# Altium PCB esp_ethernet_can_ir_relay.PcbDoc (part 2 of 2)
Units mm, origin at the board's own origin, x right, y up, seen from the top; angles counter-clockwise.
Board outline 110 x 113 mm, 2 copper layers (Top Layer, Bottom Layer); 155 components, 105 nets, 479 pads, 57 vias.
Unrouted connection lines stored in the file: 2.
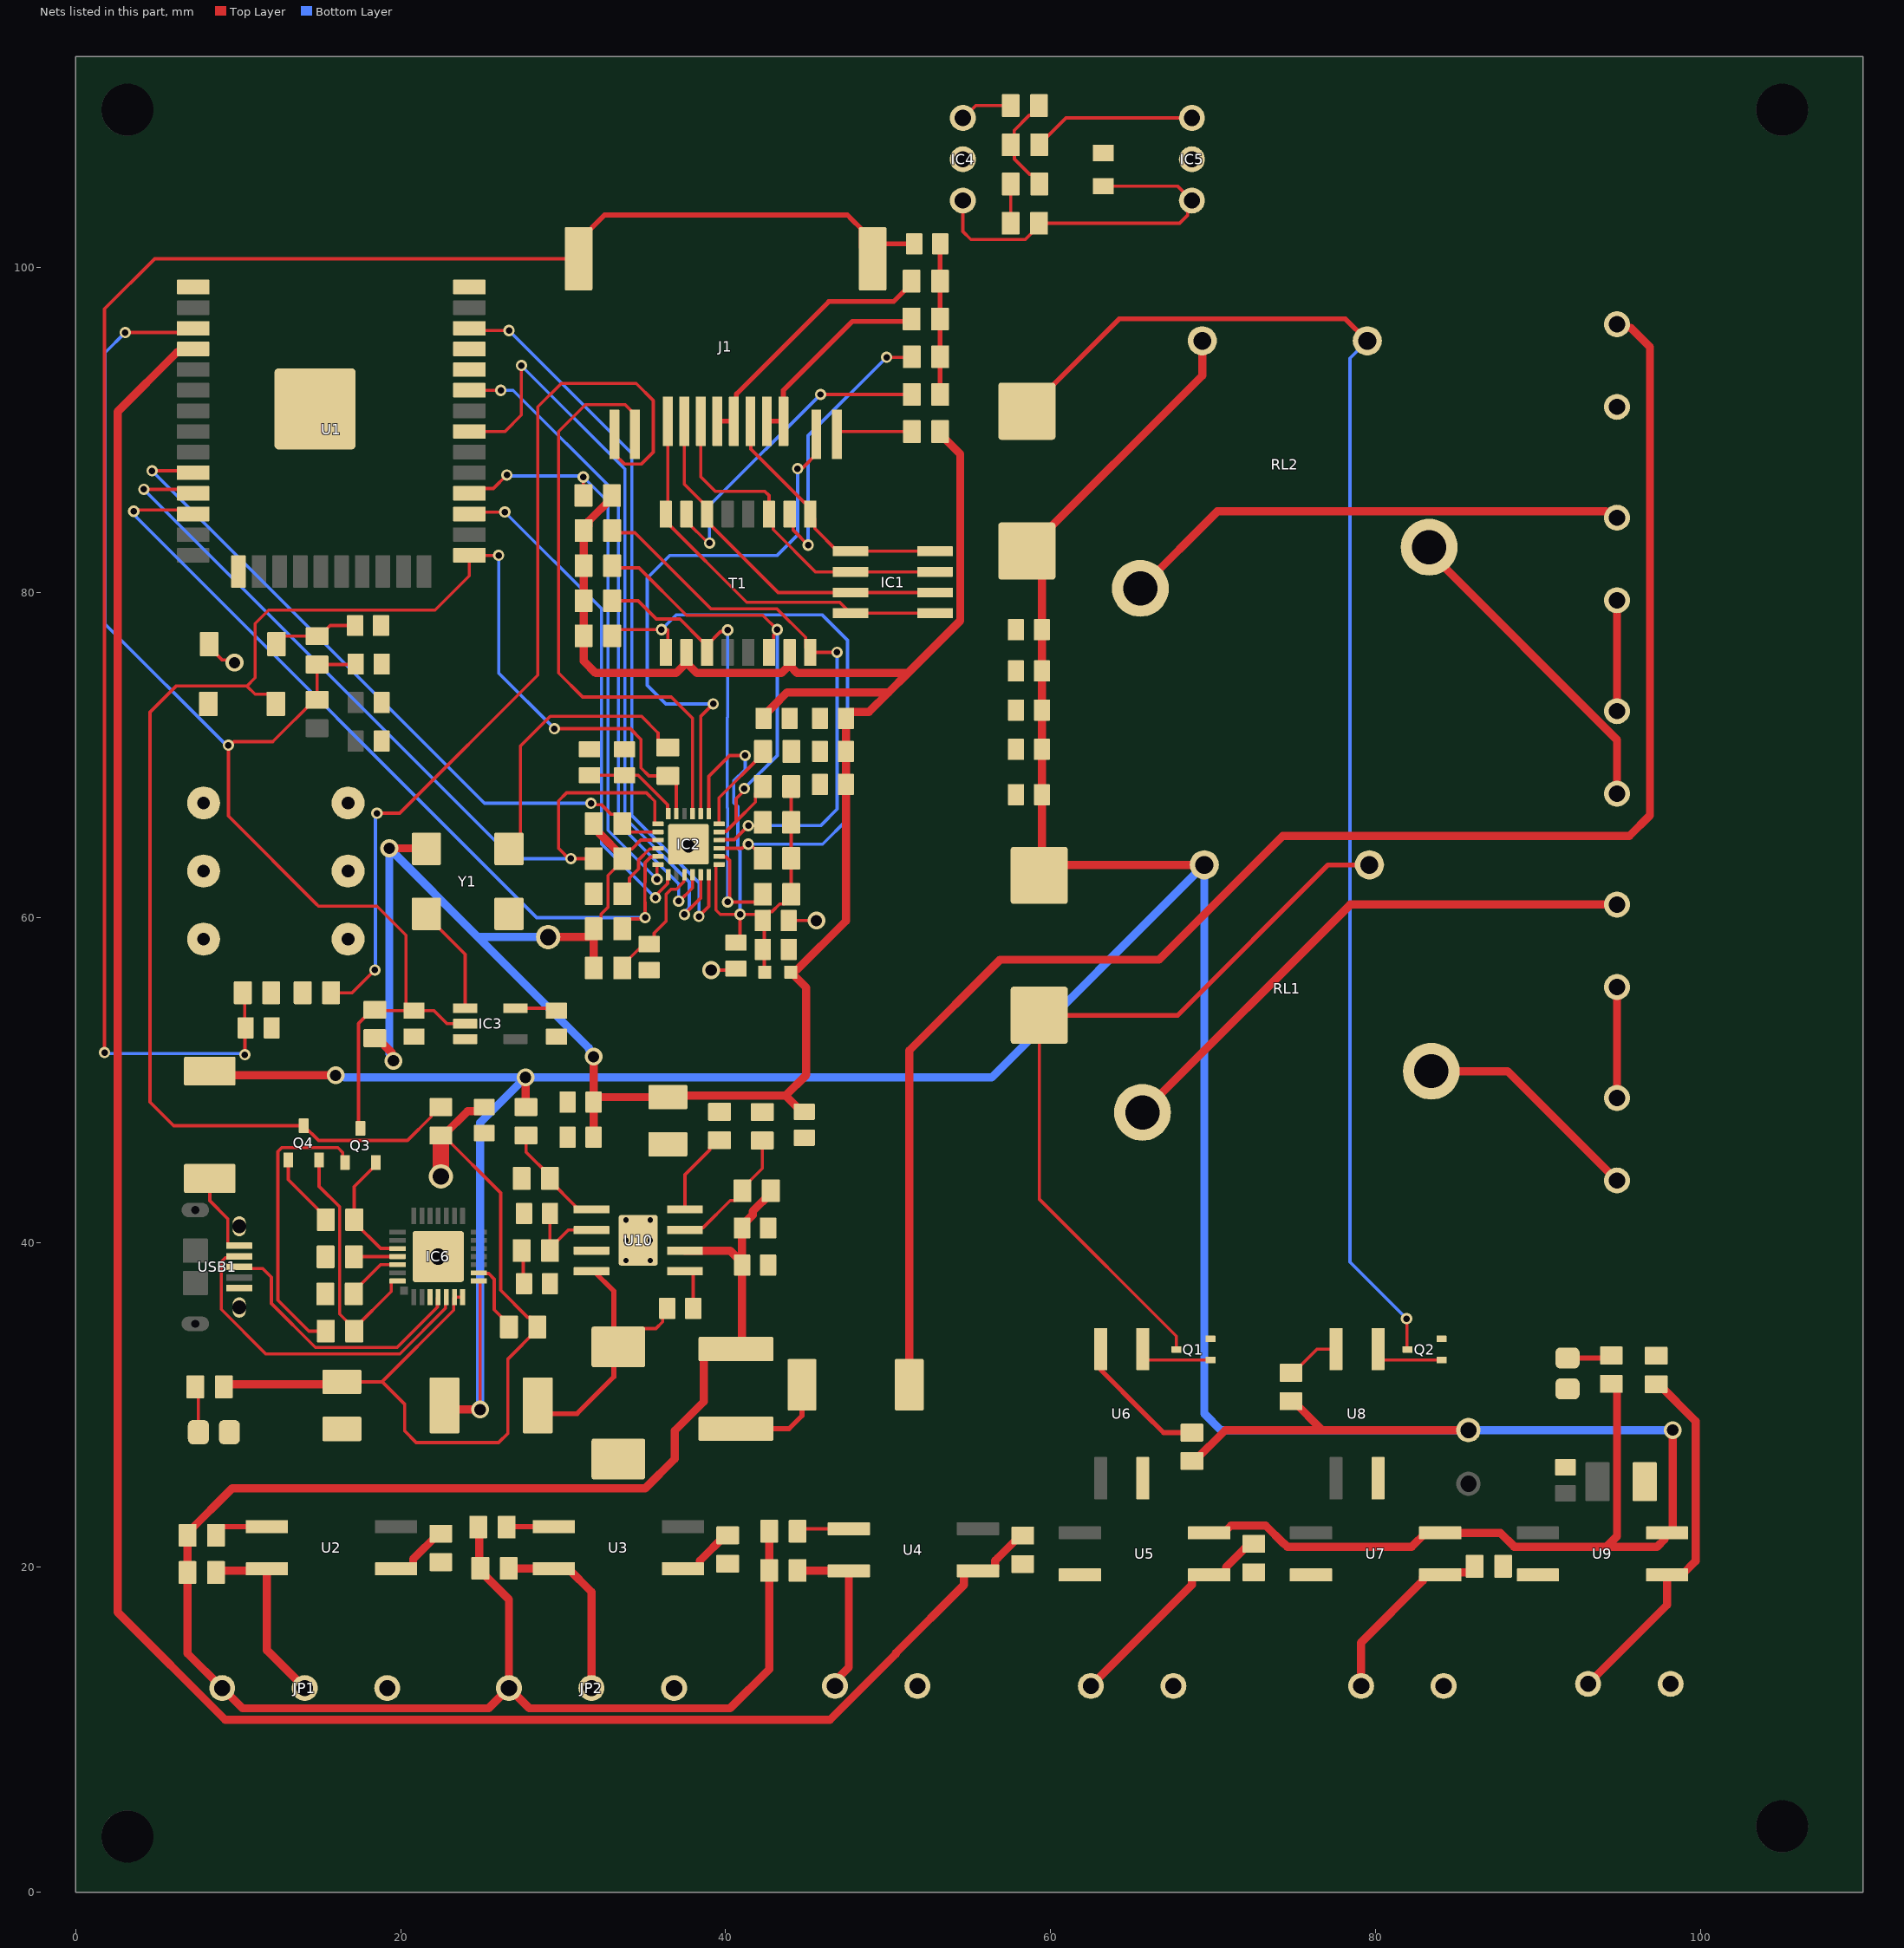
[diagram p2: the nets of this part, all layers, seen from the top]

## Via types
v1: diameter 0.7, hole 0.4, Top Layer to Bottom Layer, 42 vias
v2: diameter 1.1, hole 0.7, Top Layer to Bottom Layer, 12 vias
v3: diameter 3.25, hole 3.25, Top Layer to Bottom Layer, 3 vias

## Nets (pads, with @x,y where several pads share a name; then routed paths per layer and width w, separated by ;. In a path a pad name is that pad's centre, name@x,y a point inside that pad or via, vN(x,y) a via of type N, cw(c..) or ccw(c..) an arc to the next point about the centre after c; other vN are vias at no path point) (continued)
3.3V_ETHER: C5.1 C6.1 C9.2 C10.2 C11.2 C19.2 C30.1 C32.2 IC2.9 J4.1 L2.1 R3.1 R4.1 R5.1 R6.1 R9.1 R14.1 R15.1 R16.1 R17.1 R18.1 R19.1 T1.2 T1.7 Y1.4 | length 162.6
  Top Layer w0.2: R17.1@31.891,59.309 32.341,59.759 32.341,60.217 32.766,60.642 32.766,62.602 33.641,63.477 R15.1@33.641,63.627 ; R15.1@33.641,63.777 34.091,64.227 34.241,64.227 34.78,64.766 IC2.9@35.836,64.766
  Top Layer w0.5: R19.1@18.415,52.578 18.565,52.578 19.443,51.7 19.443,51.296 v2(19.558,51.181) ; v2(19.304,64.262) 21.558,64.262 Y1.4@21.59,64.23 ; J4.1@29.083,58.801 31.533,58.801 R17.1@31.891,59.159 ; C19.2@31.877,46.482 C11.2@31.877,48.641 v2(31.877,51.435) ; R18.1@31.891,56.896 R17.1@31.891,59.159 ; R17.1@31.891,59.309 R17.1@31.891,59.159 ; R14.1@31.891,65.786 32.191,65.486 32.191,65.227 33.641,63.777 R15.1@33.641,63.627 ; C11.2@32.127,48.948 C30.1@36.449,48.948 36.545,49.044 43.696,49.044 ; R16.1@33.006,85.979 33.006,85.829 31.57,84.393 31.57,84.12 R6.1@31.27,83.82 R5.1@31.27,81.661 R4.1@31.27,79.502 R3.1@31.27,77.343 31.27,75.791 32.01,75.051 36.951,75.051 37.592,75.692 38.233,75.051 43.441,75.051 T1.7@43.942,75.552 ; C6.1@42.342,72.263 42.342,72.413 42.946,73.017 42.946,73.024 43.779,73.857 50.028,73.857 ; T1.7@43.942,76.326 T1.7@43.942,75.552 ; C32.2@44.846,48.044 44.696,48.044 43.696,49.044 ; R9.1@53.213,89.916 53.213,89.766 54.442,88.537 54.442,78.271 51.222,75.051 ; 43.696,49.044 44.968,50.316 44.968,55.692 L2.1@44.018,56.642 44.168,56.792 44.401,56.792 47.409,59.8 C9.2@47.409,70.231 C10.2@47.409,72.263 47.409,72.413 47.659,72.663 48.834,72.663 50.028,73.857 ; T1.7@43.942,75.552 43.942,75.523 44.414,75.051 51.222,75.051 ; 50.028,73.857 51.222,75.051
  Bottom Layer w0.5: v2(19.558,51.181) 19.558,51.343 19.304,51.597 v2(19.304,64.262) 24.765,58.801 ; J4.1@29.083,58.801 24.765,58.801 ; v2(31.877,51.435) 31.877,51.597 31.585,51.89 31.585,51.981 24.765,58.801
3V3: R33.2 R36.2 | length 2.4
  Top Layer w0.2: R33.2@57.545,102.743 57.552,102.75 57.552,105.149 R36.2@57.559,105.156
5V: C23.2 C26.2 C33.2 C34.2 C37.2 D1.2 D2.2 D6.2 IC6.8 J2.1 L5.2 R40.2 R42.2 R45.2 R51.1 RL1.1 RL2.1 U5.4 U7.4 U9.4 | length 280.1
  Top Layer w0.2: IC6.8@24.812,37.632 24.842,37.632 24.892,37.582 v2(24.892,29.718)
  Top Layer w0.5: D6.2@8.255,50.546 8.509,50.292 v2(16.002,50.292) ; L5.2@22.698,29.972 22.952,29.718 v2(24.892,29.718) ; v2(27.686,50.165) 27.701,50.15 27.701,48.351 R45.2@27.716,48.336 ; D1.2@59.309,62.598 D1.2@59.474,62.763 ; R40.2@68.707,26.543 68.857,26.543 70.762,28.448 76.731,28.448 ; RL2.1@69.342,95.504 69.342,93.358 D2.2@58.547,82.563 59.474,81.636 C37.2@59.474,77.724 C34.2@59.474,75.184 C33.2@59.474,72.771 C26.2@59.474,70.358 C23.2@59.474,67.564 D1.2@59.474,62.763 ; RL1.1@69.469,63.246 59.957,63.246 D1.2@59.474,62.763 ; U5.4@69.761,22.123 70.661,22.123 70.811,22.273 70.811,22.283 71.104,22.576 73.244,22.576 74.357,21.463 74.382,21.463 74.572,21.273 82.235,21.273 83.085,22.123 U7.4@83.985,22.123 87.692,22.123 88.542,21.273 94.234,21.273 ; R42.2@74.653,30.226 R42.2@74.803,30.226 74.953,30.226 76.731,28.448 ; J2.1@85.725,28.448 76.731,28.448 ; R51.1@94.948,31.014 94.669,31.293 R51.1@94.519,31.293 94.873,30.939 94.873,21.912 94.234,21.273 ; v2(98.298,28.448) 98.298,22.227 98.402,22.123 U9.4@97.955,22.123 97.94,22.123 97.79,21.973 97.79,21.717 97.346,21.273 94.234,21.273
  Bottom Layer w0.5: v2(16.002,50.292) 16.117,50.177 16.541,50.177 16.553,50.165 v2(27.686,50.165) ; v2(24.892,29.718) 24.892,47.371 v2(27.686,50.165) ; v2(98.298,28.448) J2.1@85.725,28.448 70.485,28.448 69.469,29.464 RL1.1@69.469,63.246 56.388,50.165 v2(27.686,50.165)
12V: C24.2 C25.2 F1.2 JP1.3 JP2.3 R27.2 R28.2 R29.2 R30.2 R34.2 R35.2 R46.2 U10.2 | length 121.3
  Top Layer w0.5: R30.2@24.779,22.479 24.843,22.415 24.843,20.002 R29.2@24.906,19.939 24.906,19.789 26.67,18.025 JP2.3@26.67,12.573 ; U10.2@37.5,39.497 40.281,39.497 C24.2@41.02,38.758 ; R35.2@42.686,22.225 R34.2@42.686,19.812 42.686,13.73 40.279,11.323 27.92,11.323 JP2.3@26.67,12.573 ; R46.2@42.785,43.18 42.785,43.03 41.67,41.915 41.67,41.694 41.02,41.044 C25.2@41.02,40.894 C24.2@41.02,38.758 ; JP2.3@26.67,12.573 25.42,11.323 10.267,11.323 JP1.3@9.017,12.573 6.886,14.704 R27.2@6.886,19.685 R28.2@6.886,21.971 6.886,22.121 9.64,24.875 35.069,24.875 36.877,26.683 36.877,28.418 38.665,30.205 38.665,32.938 39.165,33.438 F1.2@40.64,33.438 41.02,33.818 C24.2@41.02,38.608 C24.2@41.02,38.758
BUTTON: JP3.2 R34.1 U4.2 | length 10.6
  Top Layer w0.5: R34.1@44.436,19.812 44.448,19.799 47.575,19.799 U4.2@47.587,19.787 47.587,13.849 46.736,12.998 JP3.2@46.736,12.7
DGND: C1.1 C2.1 C3.1 C4.2 L1.1 SW1.1 U1.1 U1.15 U1.38 U1.39 | length 2.1
  Top Layer w0.2: SW1.1@8.212,76.835 8.212,76.656 9.004,75.864 9.607,75.864 v2(9.779,75.692)
EGND: C8.2 L3.1 R7.1 R13.1
EMAC_CRS_DV: IC2.11 R17.2 U1.12 | length 51.9
  Top Layer w0.2: v1(3.574,85.011) 3.653,85.09 6.985,85.09 U1.12@7.232,84.843 ; R17.2@33.641,59.309 33.641,59.459 34.091,59.909 34.96,59.909 v1(35.052,60.001) 35.052,60.93 35.037,60.945 35.037,62.156 35.052,62.171 35.052,63.383 35.395,63.726 35.796,63.726 IC2.11@35.836,63.766
  Bottom Layer w0.2: v1(3.574,85.011) 3.574,84.876 3.729,84.721 3.729,84.647 28.375,60.001 v1(35.052,60.001)
EMAC_MDC: IC2.13 U1.27 | length 31.6
  Top Layer w0.2: U1.27@24.232,84.843 24.352,84.963 v1(26.416,84.963) ; v1(35.687,61.214) 35.687,61.346 36.429,62.088 36.429,62.593 IC2.13@36.469,62.633
  Bottom Layer w0.2: v1(26.416,84.963) 32.366,79.013 32.366,64.535 v1(35.687,61.214)
EMAC_MDIO: IC2.12 R16.2 U1.28 | length 36.2
  Top Layer w0.2: U1.28@24.232,86.113 24.537,86.418 25.712,86.418 v1(26.543,87.249) ; v1(31.242,87.122) 31.242,85.993 R16.2@31.256,85.979 ; v1(35.779,62.357) 35.779,63.226 35.819,63.266 IC2.12@35.836,63.266
  Bottom Layer w0.2: v1(26.543,87.249) 26.607,87.185 v1@31.178,87.185 ; v1(31.242,87.122) 32.766,85.598 32.766,65.37 v1(35.779,62.357)
EMAC_RXD0: IC2.8 R14.2 U1.10 | length 43
  Top Layer w0.2: v1(4.699,87.503) 7.112,87.503 U1.10@7.232,87.383 ; v1(31.716,67.036) 31.812,66.94 32.379,66.94 32.966,66.353 33.191,66.353 33.641,65.903 33.641,65.716 34.091,65.266 IC2.8@35.836,65.266
  Bottom Layer w0.2: v1(4.699,87.503) 25.166,67.036 v1(31.716,67.036)
EMAC_RXD1: IC2.7 R15.2 U1.11 | length 52.9
  Top Layer w0.2: v1(4.191,86.36) 6.985,86.36 U1.11@7.232,86.113 ; v1@30.402,63.578 29.718,64.262 29.718,67.183 30.221,67.686 35.126,67.686 35.648,67.164 35.648,65.806 35.688,65.766 IC2.7@35.836,65.766 ; v1(30.48,63.627) R15.2@31.891,63.627 31.891,63.777 R15.2@31.441,64.227
  Bottom Layer w0.2: v1(4.191,86.36) 26.924,63.627 v1(30.48,63.627)
EMAC_TX_EN: IC2.16 U1.33 | length 40.4
  Top Layer w0.2: U1.33@24.232,92.463 24.239,92.456 v1(26.162,92.456) ; v1(37.115,61.013) 37.158,61.013 37.969,61.823 IC2.16@37.969,62.633
  Bottom Layer w0.2: v1(26.162,92.456) 26.924,92.456 33.401,85.979 33.401,65.786 37.115,62.072 v1(37.115,61.013)
EMAC_TXD0: IC2.17 U1.31 | length 47.7
  Top Layer w0.2: U1.31@24.232,89.923 26.423,89.923 27.432,90.932 v1(27.432,93.98) ; v1(37.47,60.186) 37.47,60.203 38.469,61.202 IC2.17@38.469,62.633
  Bottom Layer w0.2: v1(27.432,93.98) 33.801,87.611 33.801,66.148 37.765,62.184 37.765,60.616 37.47,60.321 v1(37.47,60.186)
EMAC_TXD1: IC2.18 U1.36 | length 46.2
  Top Layer w0.2: U1.36@24.232,96.273 24.366,96.139 v1(26.67,96.139) ; v1(38.363,60.07) 38.363,60.08 38.969,60.686 IC2.18@38.969,62.633
  Bottom Layer w0.2: v1(26.67,96.139) 34.227,88.582 34.227,66.288 38.363,62.152 v1(38.363,60.07)
EN: C3.2 C17.2 IC3.2 Q3.3 R1.2 R2.2 R19.2 U1.3 | length 81.4
  Top Layer w0.2: v1@3.165,96.012 6.971,96.012 U1.3@7.232,96.273 ; C3.2@17.234,75.607 17.206,75.579 R2.2@14.859,75.579 R1.2@14.859,73.406 14.709,73.406 12.196,70.893 12.138,70.835 9.756,70.835 9.533,70.612 v1(9.398,70.612) 9.398,66.25 14.825,60.823 14.942,60.706 18.542,60.706 20.328,58.92 20.328,54.667 C17.2@20.72,54.275 ; Q3.3@17.526,47.024 17.415,47.135 17.415,53.478 18.265,54.328 R19.2@18.415,54.328 18.468,54.275 C17.2@20.72,54.275 ; IC3.2@23.977,53.467 22.853,53.467 22.053,54.267 C17.2@20.828,54.267 20.728,54.267 C17.2@20.72,54.275
  Bottom Layer w0.2: v1(3.048,96.012) 1.817,94.781 1.817,78.066 9.271,70.612 v1(9.398,70.612)
ESP_BUTTON: R39.2 U1.4 U4.3 | length 144
  Top Layer w0.5: U1.4@7.232,95.003 7.032,94.803 6.242,94.803 2.578,91.139 2.578,17.244 9.199,10.623 46.427,10.623 50.479,14.676 50.479,14.729 54.68,18.93 54.68,19.637 54.83,19.787 56.437,19.787 56.587,19.937 56.587,20.401 56.758,20.572 58.143,21.957 R39.2@58.293,21.957
ESP_OUT1: U5.2
ESP_OUT2: U7.2
ESP_OUT3: U9.2
ESP_SENSOR1: R31.2 U2.3 | length 3.9
  Top Layer w0.5: U2.3@19.723,19.914 20.623,19.914 20.773,20.064 20.773,20.514 22.329,22.07 R31.2@22.479,22.07
ESP_SENSOR2: R32.2 U3.3 | length 3.8
  Top Layer w0.5: U3.3@37.376,19.914 38.276,19.914 38.426,20.064 38.426,20.415 39.982,21.971 R32.2@40.132,21.971
ETH_GND: C5.2 C6.2 C9.1 C10.1 C11.1 C12.1 C13.1 C14.1 C15.1 C16.1 C17.1 C18.1 C19.1 C20.1 IC2.25 IC3.3 L4.1 pad.2 R25.2 R26.2 Y1.2 | length 3.3
  Top Layer w0.2: v2(39.116,56.769) 40.551,56.769 C14.1@40.64,56.858 ; C13.1@43.891,59.817 v2(45.593,59.817)
IO0: IC2.5 Q4.3 R24.2 R52.2 SW2.1 U1.25 | length 98.2
  Top Layer w0.2: SW2.1@12.319,73.152 12.319,73.331 11.897,73.752 11.041,73.752 10.541,74.252 ; R52.2@22.479,48.336 22.329,48.336 21.879,47.886 21.879,47.736 20.417,46.274 14.947,46.274 Q4.3@14.036,47.185 6.028,47.185 4.569,48.644 4.569,72.641 6.18,74.252 10.541,74.252 ; v1(26.035,82.296) 24.239,82.296 U1.25@24.232,82.303 24.232,81.036 22.124,78.928 11.872,78.928 11.049,78.105 11.049,74.76 10.541,74.252 ; v1(29.464,71.628) 34.134,71.628 34.798,70.964 34.798,69.215 35.292,68.721 R24.2@36.449,68.721 36.519,68.721 36.969,68.271 IC2.5@36.969,66.398
  Bottom Layer w0.2: v1(26.035,82.296) 26.035,75.057 v1(29.464,71.628)
IRemote: R36.1 R37.2 R38.2 | length 6.4
  Top Layer w0.2: R37.2@59.295,109.982 59.295,109.832 58.845,109.382 58.695,109.382 57.765,108.452 57.765,107.775 R38.2@57.559,107.569 57.779,107.349 57.779,106.686 58.709,105.756 58.859,105.756 59.309,105.306 R36.1@59.309,105.156
LED+: IC2.3 J1.A1 | length 37
  Top Layer w0.2: J1.A1@34.425,89.751 34.425,90.971 33.82,91.576 31.378,91.576 29.718,89.916 29.718,75.057 31.203,73.572 36.664,73.572 37.969,72.267 IC2.3@37.969,66.398
LED-: IC2.2 J1.K2 | length 35.4
  Top Layer w0.2: IC2.2@38.469,66.398 38.469,72.378 v1(39.243,73.152) ; v1(44.435,87.63) 44.531,87.726 44.78,87.726 45.585,88.531 J1.K2@45.585,89.751
  Bottom Layer w0.2: v1(39.243,73.152) 36.322,73.152 35.179,74.295 35.179,80.899 36.576,82.296 43.18,82.296 44.435,83.551 v1(44.435,87.63)
NetC4_1: C4.1 R2.1 SW1.2 | length 5.3
  Top Layer w0.2: SW1.2@12.362,76.835 12.362,76.857 12.833,77.329 R2.1@14.859,77.329 15.009,77.329 15.658,77.978 C4.1@17.196,77.978
NetC7_1: C7.1 C8.1 J1.9 J1.10 R13.2 | length 113.5
  Top Layer w0.2: v1(1.778,51.689) 1.778,97.468 4.861,100.551 J1.10@30.955,100.551 ; R13.2@10.287,55.372 10.399,55.26 10.399,53.279 C8.1@10.465,53.213 10.414,53.162 v1(10.414,51.562)
  Top Layer w0.3: J1.10@30.955,100.551 30.955,101.651 32.555,103.251 47.498,103.251 47.752,102.997 48.355,102.394 48.355,101.251 J1.9@49.055,100.551 49.055,100.773 49.755,101.473 C7.1@51.613,101.473
  Bottom Layer w0.2: v1(1.778,51.689) 1.841,51.625 10.351,51.625 v1(10.414,51.562)
NetC7_2: C7.2 R8.2 R10.2 R11.1 R12.1 | length 9.3
  Top Layer w0.3: R8.2@53.213,92.202 R10.2@53.213,94.53 C7.2@53.213,101.473
NetC12_2: C12.2 C13.2 C14.2 IC2.1 IC2.19 L2.2 R20.2 R21.2 R22.2 R23.2 | length 35.7
  Top Layer w0.2: IC2.1@38.969,66.398 38.969,68.697 40.249,69.977 v1(41.205,69.977) ; IC2.19@39.602,63.266 39.449,63.266 39.409,63.226 39.409,60.467 39.678,60.198 v1(40.894,60.198) ; C14.2@40.64,58.458 40.894,58.712 v1(40.894,60.198) ; L2.2@42.418,56.642 42.39,56.67 42.39,59.718 C13.2@42.291,59.817 ; R22.2@44.041,68.072 R23.2@44.041,65.86 R20.2@44.041,63.647 R21.2@44.041,61.435 44.041,61.285 43.591,60.835 43.333,60.835 42.866,60.367 42.691,60.367 42.291,59.967 C13.2@42.291,59.817 ; v1(40.894,60.198) 41.91,60.198 C13.2@42.291,59.817
  Bottom Layer w0.2: v1(40.894,60.198) 40.894,64.105 40.752,64.247 40.752,66.83 40.498,67.084 40.498,68.405 41.205,69.112 v1(41.205,69.977)
NetC15_2: C15.2 C16.2 IC2.6 | length 6.1
  Top Layer w0.2: C16.2@31.623,68.758 C15.2@33.782,68.758 34.62,68.758 36.429,66.949 36.429,66.438 IC2.6@36.469,66.398
NetC18_2: C18.2 IC3.5 | length 2.6
  Top Layer w0.2: IC3.5@27.077,54.417 29.441,54.417 C18.2@29.591,54.267
NetC20_2: C20.2 IC2.15 R18.2 | length 7.6
  Top Layer w0.2: R18.2@33.641,56.896 33.641,57.046 34.846,58.251 35.09,58.251 35.608,58.769 35.608,59.052 36.337,59.781 36.337,61.43 36.65,61.743 36.98,61.743 37.429,62.192 37.429,62.513 IC2.15@37.469,62.553
NetC21_1: C21.1 IC4.1 IC5.1 R33.1 | length 23.5
  Top Layer w0.2: IC4.1@54.61,104.14 54.61,102.235 55.102,101.743 58.445,101.743 59.295,102.593 R33.1@59.295,102.743 67.945,102.743 68.447,103.245 68.447,103.88 IC5.1@68.707,104.14 67.818,105.029 C21.1@63.246,105.029
NetC22_1: C22.1 D3.2 L5.1 U10.8 | length 17.6
  Top Layer w0.2: D3.2@33.401,33.57 34.536,34.705 35.721,34.705 36.124,35.108 36.124,35.654 C22.1@36.411,35.941
  Top Layer w0.3: L5.1@28.448,29.972 28.956,29.464 30.861,29.464 33.126,31.729 D3.2@33.126,33.57 ; U10.8@31.75,38.227 31.904,38.227 33.126,37.005 D3.2@33.126,33.57 ; D3.2@33.401,33.57 D3.2@33.126,33.57
NetC22_2: C22.2 U10.1 | length 2.7
  Top Layer w0.2: U10.1@37.5,38.227 37.861,38.227 38.011,38.077 C22.2@38.011,35.941
NetC27_2: C27.2 R47.2 U10.6 | length 5.3
  Top Layer w0.2: R47.2@29.196,39.497 R47.2@29.196,39.647 ; C27.2@29.196,41.783 R47.2@29.196,39.647 ; U10.6@31.75,40.767 30.316,40.767 R47.2@29.196,39.647
NetC28_2: C28.2 R47.1 | length 2.1
  Top Layer w0.2: R47.1@27.446,39.497 27.543,39.4 27.543,37.517 C28.2@27.596,37.465
NetD1_1: D1.1 Q1.3 RL1.2 | length 48.2
  Top Layer w0.2: D1.1@59.309,53.988 59.309,42.672 67.75,34.231 Q1.3@67.75,33.416
  Top Layer w0.3: D1.1@59.309,53.988 67.831,53.988 77.089,63.246 RL1.2@79.629,63.246
NetD2_1: D2.1 Q2.3 RL2.2 | length 87.9
  Top Layer w0.2: v1(81.915,35.306) 81.944,35.277 81.944,33.446 Q2.3@81.974,33.416
  Top Layer w0.3: D2.1@58.547,91.173 64.228,96.854 78.152,96.854 RL2.2@79.502,95.504
  Bottom Layer w0.2: RL2.2@79.502,95.504 78.429,94.431 78.429,38.792 v1(81.915,35.306)
NetD4_2: D4.2 F1.1 | length 6.3
  Top Layer w0.3: F1.1@40.64,28.538 43.905,28.538 44.704,29.337 D4.2@44.704,31.242
NetD5_1: D5.1 R51.2 | length 2.8
  Top Layer w0.3: D5.1@91.821,32.888 94.364,32.888 R51.2@94.519,33.043
NetD7_1: D7.1 R53.2 | length 2.9
  Top Layer w0.2: R53.2@7.366,31.115 7.548,30.933 7.548,28.333 D7.1@7.559,28.321
NetIC1_1: IC1.1 IC1.8 J1.1 T1.16 | length 25.1
  Top Layer w0.2: J1.1@36.449,90.551 36.449,84.963 T1.16@36.322,84.836 36.322,84.391 41.303,79.41 47.022,79.41 IC1.8@47.692,78.74 IC1.1@52.892,78.74
NetIC1_2: IC1.2 IC1.7 J1.2 T1.14 | length 22.6
  Top Layer w0.2: J1.2@37.465,90.551 37.465,86.678 38.862,85.281 T1.14@38.862,84.836 38.862,84.391 43.243,80.01 IC1.7@47.692,80.01 IC1.2@52.892,80.01
NetIC1_3: IC1.3 IC1.6 J1.3 T1.11 | length 21.3
  Top Layer w0.2: J1.3@38.481,90.551 38.481,87.122 39.37,86.233 42.418,86.233 42.672,85.979 T1.11@42.672,84.836 42.928,84.58 42.928,83.885 45.534,81.28 IC1.6@47.692,81.28 IC1.3@52.892,81.28
NetIC1_4: IC1.4 IC1.5 J1.6 T1.9 | length 16.3
  Top Layer w0.2: J1.6@41.529,90.551 41.557,90.523 41.557,88.843 44.839,85.561 44.932,85.561 45.212,85.281 T1.9@45.212,84.836 45.492,84.556 45.492,83.95 46.892,82.55 IC1.5@47.692,82.55 IC1.4@52.892,82.55
NetIC2_10: IC2.10 R25.1 | length 4
  Top Layer w0.2: R25.1@33.641,61.468 34.091,61.918 34.091,62.435 34.652,62.996 34.652,63.548 35.33,64.226 35.796,64.226 IC2.10@35.836,64.266
NetIC2_24: IC2.24 R26.1 | length 5.6
  Top Layer w0.2: IC2.24@39.602,65.766 39.602,67.378 42.305,70.081 R26.1@42.305,70.231
NetIC3_1: IC3.1 Y1.1 | length 6.8
  Top Layer w0.2: Y1.1@21.59,60.23 21.59,60.13 23.977,57.743 IC3.1@23.977,54.417
NetIC4_3: IC4.3 R37.1 | length 3.3
  Top Layer w0.2: IC4.3@54.61,109.22 54.642,109.22 55.404,109.982 R37.1@57.545,109.982
NetIC5_3: IC5.3 R38.1 | length 10.1
  Top Layer w0.2: R38.1@59.309,107.569 60.96,109.22 IC5.3@68.707,109.22
NetIC6_4: IC6.4 USB1.3 | length 16.9
  Top Layer w0.2: USB1.3@10.066,38.497 10.166,38.397 11.514,38.397 12.046,37.865 12.046,36.251 14.753,33.544 19.789,33.544 22.262,36.017 22.262,36.582 IC6.4@22.312,36.632
NetIC6_5: IC6.5 USB1.2 | length 21
  Top Layer w0.2: USB1.2@10.066,39.147 9.966,39.047 9.203,39.047 8.966,38.81 8.966,35.882 11.704,33.144 19.955,33.144 22.762,35.951 22.762,36.582 IC6.5@22.812,36.632
NetIC6_9: IC6.9 R56.2 | length 4.4
  Top Layer w0.2: IC6.9@24.812,38.132 24.862,38.082 25.427,38.082 25.762,37.747 25.762,35.856 26.67,34.948 R56.2@26.67,34.798
NetIC6_25: IC6.25 R55.2 | length 2.7
  Top Layer w0.2: R55.2@17.131,39.116 17.147,39.132 IC6.25@19.812,39.132
NetIC6_26: IC6.26 R54.2 | length 3.5
  Top Layer w0.2: R54.2@17.117,36.83 17.117,36.98 18.769,38.632 IC6.26@19.812,38.632
NetJ1_4: J1.4 J1.5 R11.2 | length 16.5
  Top Layer w0.3: J1.4@39.497,90.551 J1.5@40.513,90.551 40.668,90.706 40.668,92.23 46.355,97.917 50.34,97.917 51.448,99.025 R11.2@51.448,99.175
NetJ1_7: J1.7 J1.8 R12.2 | length 12.6
  Top Layer w0.3: J1.7@42.545,90.551 J1.8@43.561,90.551 43.561,92.456 47.8,96.695 51.296,96.695 R12.2@51.448,96.848
NetJ1_A2: J1.A2 R9.2 | length 4.7
  Top Layer w0.2: J1.A2@46.855,89.751 47.02,89.916 R9.2@51.463,89.916
NetJ1_K1: J1.K1 R7.2 | length 58.4
  Top Layer w0.2: R7.2@15.72,55.372 17.018,55.372 v1(18.415,56.769) ; v1(18.542,66.421) 19.939,66.421 28.448,74.93 28.448,91.44 29.889,92.881 34.5,92.881 35.56,91.821 35.56,88.65 34.836,87.926 33.76,87.926 33.155,88.531 J1.K1@33.155,89.751
  Bottom Layer w0.2: v1(18.415,56.769) 18.454,56.808 18.454,66.333 v1(18.542,66.421)
NetJP4_1: JP4.1 JP5.2 | length 6.8
  Top Layer w0.5: JP4.1@94.869,48.895 JP5.2@94.869,55.721
NetJP4_2: JP4.2 RL1.3 | length 14.2
  Top Layer w0.5: RL1.3@83.439,50.546 88.138,50.546 JP4.2@94.869,43.815
NetJP5_1: JP5.1 RL1.4 | length 34.5
  Top Layer w0.5: RL1.4@65.659,48.006 78.454,60.801 JP5.1@94.869,60.801
NetJP6_1: JP6.1 JP7.2 | length 6.8
  Top Layer w0.5: JP6.1@94.869,72.707 JP7.2@94.869,79.534
NetJP6_2: JP6.2 RL2.3 | length 20
  Top Layer w0.5: RL2.3@83.312,82.804 83.312,82.497 94.869,70.94 JP6.2@94.869,67.627
NetJP7_1: JP7.1 RL2.4 | length 31.5
  Top Layer w0.5: RL2.4@65.532,80.264 70.272,85.004 94.181,85.004 94.571,84.614 JP7.1@94.869,84.614
NetQ1_1: Q1.1 U6.3 | length 4.7
  Top Layer w0.2: U6.3@65.684,33.439 65.684,33.066 65.984,32.766 Q1.1@69.85,32.766
NetQ2_1: Q2.1 U8.3 | length 4.4
  Top Layer w0.2: U8.3@80.162,33.439 80.162,33.066 80.462,32.766 Q2.1@84.074,32.766
NetQ3_2: Q3.2 R57.1 | length 17.8
  Top Layer w0.2: R57.1@15.395,34.544 14.351,34.544 12.446,36.449 12.446,45.602 12.679,45.835 16.141,45.835 16.436,45.54 16.436,45.064 Q3.2@16.576,44.924
NetQ4_2: Q4.2 R58.1 | length 4.6
  Top Layer w0.2: Q4.2@13.086,45.085 13.086,43.861 15.395,41.552 R58.1@15.395,41.402
NetR8_1: R8.1 T1.15 | length 20
  Top Layer w0.2: T1.15@37.592,84.836 37.592,84.391 38.925,83.058 v1(39.013,83.058) ; v1(45.847,92.202) R8.1@51.463,92.202
  Bottom Layer w0.2: v1(39.013,83.058) 39.013,85.368 v1(45.847,92.202)
NetR10_1: R10.1 T1.10 | length 17.5
  Top Layer w0.2: T1.10@43.942,84.836 44.165,84.613 44.165,83.851 44.254,83.762 v1(45.085,82.931) ; v1(49.911,94.488) 51.421,94.488 R10.1@51.463,94.53
  Bottom Layer w0.2: v1(45.085,82.931) 45.085,89.662 v1(49.911,94.488)
NetR24_1: R24.1 Y1.3 | length 17.5
  Top Layer w0.2: Y1.3@26.67,64.23 27.38,64.94 27.38,70.56 29.21,72.39 34.828,72.39 35.812,71.407 35.849,71.369 35.849,70.921 36.299,70.471 R24.1@36.449,70.471
NetR28_1: R28.1 U2.1 | length 3.4
  Top Layer w0.3: R28.1@8.636,21.971 8.636,22.104 9.036,22.504 U2.1@11.773,22.504
NetR30_1: R30.1 U3.1 | length 2.9
  Top Layer w0.3: R30.1@26.529,22.479 26.554,22.504 U3.1@29.426,22.504
NetR35_1: R35.1 U4.1 | length 3.2
  Top Layer w0.2: R35.1@44.436,22.225 44.588,22.377 U4.1@47.587,22.377
NetR40_1: R40.1 U6.4 | length 8.1
  Top Layer w0.3: U6.4@63.094,33.058 63.094,32.158 65.767,29.485 66.959,28.293 R40.1@68.707,28.293
NetR42_1: R42.1 U8.4 | length 3.4
  Top Layer w0.2: R42.1@74.803,31.976 74.953,31.976 76.416,33.439 U8.4@77.572,33.439
NetR45_1: R45.1 R48.2 U10.5 | length 6.7
  Top Layer w0.2: R45.1@27.716,46.586 27.716,45.572 29.196,44.092 R48.2@29.196,43.942 29.196,43.792 30.75,42.238 30.75,42.187 30.9,42.037 U10.5@31.75,42.037
NetR46_1: R46.1 R49.2 U10.3 | length 8.2
  Top Layer w0.2: U10.3@37.5,40.767 37.65,40.917 38.622,40.917 40.285,42.58 40.585,42.58 41.035,43.03 R46.1@41.035,43.18 41.035,43.33 42.26,44.555 R49.2@42.26,46.279
NetR50_1: R50.1 U10.4 | length 5.2
  Top Layer w0.2: U10.4@37.5,42.037 37.5,44.17 39.024,45.694 39.024,45.844 39.474,46.294 R50.1@39.624,46.294
OUT1: JP8.2 R41.2 U5.3 | length 14.1
  Top Layer w0.5: JP8.2@62.484,12.7 68.711,18.927 68.711,19.383 68.861,19.533 70.661,19.533 70.811,19.683 70.811,20.02 71.94,21.149 72.217,21.149 R41.2@72.517,21.449
OUT2: JP9.2 R43.2 U7.3 | length 11.8
  Top Layer w0.5: JP9.2@79.121,12.7 79.121,15.376 82.935,19.19 82.935,19.383 83.085,19.533 U7.3@83.985,19.533 84.135,19.683 85.806,19.683 86.106,19.983 R43.2@86.106,20.066
OUT3: JP10.2 R44.2 U9.3 | length 22.8
  Top Layer w0.5: JP10.2@93.091,12.827 97.955,17.691 U9.3@97.955,19.533 98.855,19.533 99.705,20.383 99.705,29.005 97.432,31.278 R44.2@97.282,31.278
PGND: C21.2 C23.1 C24.1 C25.1 C26.1 C27.1 C28.1 C29.2 C30.2 C31.1 C32.1 C33.1 C34.1 C35.2 C36.1 C37.1 D3.1 D5.2 D7.2 IC4.2 IC5.2 IC6.3 IC6.29 JP1.1 JP2.1 JP3.1 JP8.1 JP9.1 JP10.1 JP11.2 L1.2 L3.2 L4.2 Q1.2 Q2.2 R31.1 R32.1 R39.1 R41.1 R43.1 R44.1 R48.1 R49.1 R50.2 SW2.2 U10.7 U10.9 USB1.5 USB1.6 USB1.7
RD+: IC2.23 R5.2 R22.1 T1.6 | length 30.4
  Top Layer w0.2: R5.2@33.02,81.661 33.147,81.534 34.671,81.534 37.595,78.61 42.294,78.61 v1(43.18,77.724) 43.18,77.589 42.952,77.361 42.952,76.606 T1.6@42.672,76.326 ; IC2.23@39.602,65.266 39.642,65.306 40.043,65.306 40.655,65.918 ; v1(41.148,67.945) 41.148,67.817 40.655,67.324 40.655,65.918 ; R22.1@42.291,68.072 41.841,67.622 41.841,67.104 40.655,65.918
  Bottom Layer w0.2: v1(41.148,67.945) 43.18,69.977 v1(43.18,77.724)
RD-: IC2.22 R6.2 R23.1 T1.8 | length 35
  Top Layer w0.2: R6.2@33.02,83.82 33.147,83.693 34.417,83.693 39.1,79.01 43.164,79.01 44.932,77.242 44.932,76.606 T1.8@45.212,76.326 T1.8@45.212,76.326 v1(46.863,76.327) ; IC2.22@39.602,64.766 39.633,64.797 40.54,64.797 v1(41.402,65.659)
  Bottom Layer w0.2: v1(41.402,65.659) 45.847,65.659 46.863,66.675 v1(46.863,76.327)
RXD0: U1.34
RXD0/USB_TX: R54.1
SENSOR1: JP1.2 R27.1 U2.2 | length 11.5
  Top Layer w0.5: R27.1@8.636,19.685 8.751,19.8 11.658,19.8 U2.2@11.773,19.914 11.773,14.897 JP1.2@14.097,12.573
SENSOR2: JP2.2 R29.1 U3.2 | length 11.6
  Top Layer w0.5: R29.1@26.656,19.939 26.668,19.926 29.414,19.926 U3.2@29.426,19.914 30.326,19.914 31.75,18.49 JP2.2@31.75,12.573
SPI_OUT4: U6.2
SPI_OUT5: U8.2
TD+: IC2.21 R3.2 R20.1 T1.1 | length 38.5
  Top Layer w0.2: R3.2@33.02,77.343 33.401,77.724 v1(36.053,77.724) 36.449,77.724 36.449,76.453 T1.1@36.322,76.326 ; IC2.21@39.602,64.266 41.017,64.266 41.267,64.516 v1(41.402,64.516) 41.5,64.516 41.769,64.247 41.841,64.247 42.291,63.797 R20.1@42.291,63.647
  Bottom Layer w0.2: v1(36.053,77.724) 36.957,78.628 45.959,78.628 47.513,77.074 47.513,66.055 45.974,64.516 v1(41.402,64.516)
TD-: IC2.20 R4.2 R21.1 T1.3 | length 31.7
  Top Layer w0.2: R4.2@33.02,79.502 34.613,79.502 35.741,78.374 37.196,78.374 38.519,77.051 38.582,77.051 T1.3@38.862,76.771 ; T1.3@38.862,76.326 T1.3@38.862,76.771 ; IC2.20@39.602,63.766 39.642,63.726 40.043,63.726 40.247,63.522 40.247,61.21 40.132,61.095 v1(40.132,60.96) 41.841,60.96 42.291,61.41 R21.1@42.291,61.435 R21.1@42.291,61.585 ; v1(40.132,77.701) 40.036,77.605 39.696,77.605 T1.3@38.862,76.771
  Bottom Layer w0.2: v1(40.132,60.96) 40.132,66.736 40.098,66.77 40.098,72.316 40.132,72.35 v1(40.132,77.701)
TXD0: U1.35
TXD0/USB_RX: R55.1
USB3V3: C35.1 C36.2 IC6.6 IC6.7 J5.1 R52.1 R53.1 R56.1 | length 55
  Top Layer w0.2: C35.1@16.383,31.422 18.849,31.422 ; R52.1@22.479,46.586 22.629,46.586 26.162,43.053 26.162,37.056 27.82,35.398 27.97,35.398 28.42,34.948 R56.1@28.42,34.798 28.42,34.648 26.607,32.835 26.607,28.258 26.035,27.686 20.955,27.686 20.256,28.384 20.256,30.035 18.87,31.422 18.849,31.422 ; IC6.7@23.812,36.632 IC6.6@23.312,36.632 23.262,36.582 23.262,35.835 18.849,31.422
  Top Layer w0.5: R53.1@9.116,31.115 9.266,31.265 15.433,31.265 15.587,31.419 C35.1@15.587,31.769 ; R52.1@22.629,46.586 24.129,48.086 24.896,48.086 C36.2@25.146,48.336
  Top Layer w1: J5.1@22.479,44.069 R52.1@22.479,46.586
USB_DTR: IC6.28 Q4.1 R57.2 | length 15.7
  Top Layer w0.2: Q4.1@14.986,45.085 14.986,43.453 16.245,42.194 16.245,35.594 R57.2@17.145,34.694 ; R57.2@17.145,34.544 R57.2@17.145,34.694 ; IC6.28@19.812,37.632 19.477,37.632 19.427,37.582 19.427,36.976 R57.2@17.145,34.694
USB_RTS: IC6.24 Q3.1 R58.2 | length 7.6
  Top Layer w0.2: Q3.1@18.476,44.924 18.476,44.774 17.145,43.443 R58.2@17.145,41.402 17.145,41.252 18.765,39.632 IC6.24@19.812,39.632
VCCUSB: D6.1 USB1.1 | length 5.2
  Top Layer w0.2: D6.1@8.255,43.942 8.255,42.569 9.366,41.458 9.366,39.897 9.466,39.797 USB1.1@10.066,39.797
VIN: D4.1 JP11.1 | length 103.6
  Top Layer w0.5: D4.1@51.308,31.242 51.308,51.816 56.896,57.404 66.675,57.404 74.295,65.024 95.631,65.024 96.901,66.294 96.901,95.123 95.714,96.31 95.079,96.31 JP11.1@94.869,96.52
pads on no net: hole1.1 hole2.1 hole3.1 hole4.1 IC2.4 IC2.14 IC3.4 IC6. IC6.1 IC6.2 IC6.10 IC6.11 IC6.12 IC6.13 IC6.14 IC6.15 IC6.16 IC6.17 IC6.18 IC6.19 IC6.20 IC6.21 IC6.22 IC6.23 IC6.27 T1.4 T1.5 T1.12 T1.13 U1.5 U1.6 U1.7 U1.8 U1.9 U1.13 U1.14 U1.16 U1.17 U1.18 U1.19 U1.20 U1.21 U1.22 U1.23 U1.24 U1.26 U1.29 U1.30 U1.32 U1.37 USB1. USB1.4 USB1.8 USB1.9
copper on no net:
  other v3: 33.655,100.551 46.355,100.551 46.355,100.551

## Polygon pours and split planes (outlines as drawn)
PGND on Bottom Layer "PGND_L02_P009" (solid, pour order 9): 0,0 109.982,0 109.982,113.03 26.035,113.03 26.035,99.695 25.908,99.568 25.908,76.073 49.657,76.073 49.657,51.689 33.528,51.689 33.528,45.212 28.829,45.212 28.829,51.435 11.049,51.435 11.049,74.422 5.842,74.422 5.715,74.549 5.715,99.695 26.035,99.695 26.035,113.03 0,113.03
ETH_GND on Bottom Layer "ETH_GND_L02_P004" (solid, pour order 4): 11.049,65.532 11.049,60.325 18.034,60.325 18.034,51.435 28.829,51.435 28.829,45.212 33.528,45.212 33.528,51.689 49.657,51.689 49.657,76.073 25.908,76.073 25.908,65.659 26.035,65.532
DGND on Bottom Layer "DGND_L02_P003" (solid, pour order 3): 5.842,74.422 11.049,74.422 11.049,65.532 26.035,65.532 26.035,99.695 5.715,99.695
EGND on Bottom Layer "EGND_L02_P000" (solid, pour order 0): 11.049,60.325 18.034,60.325 18.034,51.435 11.049,51.435
PGND on Top Layer "PGND_L01_P007" (solid, pour order 7): 0,0 109.982,0 109.982,113.03 26.162,113.03 26.035,112.903 26.035,76.2 25.908,76.073 49.657,76.073 49.657,51.689 33.528,51.689 33.528,45.212 28.829,45.212 28.829,51.435 11.049,51.435 11.049,74.422 5.842,74.422 5.715,74.549 5.715,99.695 26.035,99.695 26.035,112.903 26.162,113.03 0,113.03
ETH_GND on Top Layer "ETH_GND_L01_P005" (solid, pour order 5): 11.049,65.532 26.035,65.532 25.908,65.659 25.908,76.073 49.657,76.073 49.657,51.689 33.528,51.689 33.528,45.212 28.829,45.212 28.829,51.435 18.034,51.435 18.034,60.325 11.049,60.325
DGND on Top Layer "DGND_L01_P002" (solid, pour order 2): 5.715,99.695 26.035,99.695 26.035,66.058 26.055,66.038 26.035,66.018 26.035,65.532 11.049,65.532 11.049,74.422 5.842,74.422
EGND on Top Layer "EGND_L01_P001" (solid, pour order 1): 11.049,60.325 18.034,60.325 18.034,51.435 11.049,51.435

## Keep-outs
Keep-Out Layer:
  the board outline again, w1

## Text inside footprints (layer, text, board x,y; h text height)
D3: Mechanical 2 "K" at 33.931,33.94 h0.8 r90; Mechanical 2 "A" at 33.981,25.6 h0.8 r90
D4: Mechanical 2 "K" at 45.506,31.942 h0.8 r180; Mechanical 2 "A" at 51.106,31.942 h0.8 r180
D6: Mechanical 2 "A" at 8.955,44.144 h0.8 r90; Mechanical 2 "K" at 8.955,49.744 h0.8 r90
IC1: Mechanical 2 "5" at 49.492,82.445 h0.8 r90; Mechanical 2 "4" at 51.492,82.445 h0.8 r90; Mechanical 2 "8" at 49.492,78.645 h0.8 r90; Mechanical 2 "1" at 51.492,78.645 h0.8 r90
IC2: Mechanical 2 "24" at 39.095,65.626 h0.8 r270; Mechanical 2 "19" at 39.069,63.998 h0.8 r270; Mechanical 2 "1" at 38.919,66.316 h0.8 r180; Mechanical 2 "6" at 36.719,66.316 h0.8 r180; Mechanical 2 "7" at 35.919,65.716 h0.8 r270; Mechanical 2 "12" at 36.019,64.016 h0.8 r270; Mechanical 2 "13" at 37.109,63.116 h0.8 r180; Mechanical 2 "16" at 39.019,63.126 h0.8 r180
IC3: Mechanical 2 "1" at 24.775,54.522 h0.8 r270; Mechanical 2 "3" at 24.78,52.621 h0.8 r270; Mechanical 2 "4" at 25.851,52.65 h0.8 r270; Mechanical 2 "5" at 25.827,54.567 h0.8 r270
IC4: Mechanical 1 "1" at 54.356,104.394 h0.8 r270; Mechanical 1 "3" at 54.356,109.474 h0.8 r270; Mechanical 1 "OUT" at 51.91,110.18 h0.8 r270; Mechanical 1 "VCC" at 51.91,105.78 h0.8 r270; Mechanical 1 "GND" at 50.41,106.18 h0.8
IC5: Mechanical 1 "1" at 68.453,104.394 h0.8 r270; Mechanical 1 "3" at 68.453,109.474 h0.8 r270; Mechanical 1 "OUT" at 66.007,110.18 h0.8 r270; Mechanical 1 "VCC" at 66.007,105.78 h0.8 r270; Mechanical 1 "GND" at 64.507,106.18 h0.8
IC6: Mechanical 2 "28" at 20.612,37.332 h0.8 r90; Mechanical 2 "22" at 20.712,39.832 h0.8 r90; Mechanical 2 "21" at 20.612,40.832 h0.8; Mechanical 2 "15" at 23.312,40.832 h0.8; Mechanical 2 "14" at 24.412,39.732 h0.8 r90; Mechanical 2 "8" at 24.512,37.432 h0.8 r90; Mechanical 2 "7" at 23.612,36.832 h0.8; Mechanical 2 "1" at 20.812,36.832 h0.8
J1: Mechanical 2 "-" at 46.14,91.551 h0.8 r180; Mechanical 2 "-" at 33.46,91.551 h0.8 r180; Mechanical 2 "8" at 43.975,91.551 h0.8 r180; Mechanical 2 "+" at 47.41,91.551 h0.8 r180; Mechanical 2 "+" at 34.73,91.551 h0.8 r180; Mechanical 2 "1" at 36.675,91.551 h0.8 r180
JP1: Mechanical 2 "2" at 14.497,13.173 h0.8 r180; Mechanical 2 "1" at 19.377,13.173 h0.8 r180; Mechanical 2 "3" at 9.417,13.173 h0.8 r180
JP2: Mechanical 2 "2" at 32.15,13.173 h0.8 r180; Mechanical 2 "1" at 37.03,13.173 h0.8 r180; Mechanical 2 "3" at 27.07,13.173 h0.8 r180
JP3: Mechanical 2 "2" at 47.136,13.3 h0.8 r180; Mechanical 2 "1" at 52.016,13.3 h0.8 r180
JP4: Mechanical 2 "2" at 94.269,44.215 h0.8 r270; Mechanical 2 "1" at 94.269,49.095 h0.8 r270
JP5: Mechanical 2 "2" at 94.269,56.121 h0.8 r270; Mechanical 2 "1" at 94.269,61.001 h0.8 r270
JP6: Mechanical 2 "2" at 94.269,68.027 h0.8 r270; Mechanical 2 "1" at 94.269,72.907 h0.8 r270
JP7: Mechanical 2 "2" at 94.269,79.934 h0.8 r270; Mechanical 2 "1" at 94.269,84.814 h0.8 r270
JP8: Mechanical 2 "2" at 62.884,13.3 h0.8 r180; Mechanical 2 "1" at 67.764,13.3 h0.8 r180
JP9: Mechanical 2 "2" at 79.521,13.3 h0.8 r180; Mechanical 2 "1" at 84.401,13.3 h0.8 r180
JP10: Mechanical 2 "2" at 93.491,13.427 h0.8 r180; Mechanical 2 "1" at 98.371,13.427 h0.8 r180
JP11: Mechanical 2 "2" at 94.269,91.84 h0.8 r270; Mechanical 2 "1" at 94.269,96.72 h0.8 r270
Q1: Mechanical 2 "E" at 69.45,33.966 h0.8 r90; Mechanical 2 "C" at 68.6,33.266 h0.8 r90; Mechanical 2 "B" at 69.45,32.566 h0.8 r90
Q2: Mechanical 2 "E" at 83.674,33.966 h0.8 r90; Mechanical 2 "C" at 82.824,33.266 h0.8 r90; Mechanical 2 "B" at 83.674,32.566 h0.8 r90
Q3: Mechanical 2 "E" at 16.426,45.274 h0.8; Mechanical 2 "B" at 18.426,45.174 h0.8; Mechanical 2 "C" at 17.376,46.374 h0.8
Q4: Mechanical 2 "E" at 12.936,45.435 h0.8; Mechanical 2 "B" at 14.936,45.335 h0.8; Mechanical 2 "C" at 13.886,46.535 h0.8
RL1: Mechanical 2 "4" at 65.949,48.616 h0.8 r180; Mechanical 2 "3" at 83.749,51.016 h0.8 r180; Mechanical 2 "1" at 69.749,63.816 h0.8 r180; Mechanical 2 "2" at 79.849,63.816 h0.8 r180
RL2: Mechanical 2 "4" at 65.822,80.874 h0.8 r180; Mechanical 2 "3" at 83.622,83.274 h0.8 r180; Mechanical 2 "1" at 69.622,96.074 h0.8 r180; Mechanical 2 "2" at 79.722,96.074 h0.8 r180
T1: Mechanical 2 "1" at 36.107,77.441 h0.8; Mechanical 2 "16" at 36.107,82.521 h0.8; Mechanical 2 "8" at 44.877,77.441 h0.8; Mechanical 2 "9" at 44.877,82.521 h0.8
U1: Mechanical 2 "38" at 24.532,98.258 h0.8 r90; Mechanical 2 "25" at 24.532,81.658 h0.8 r90; Mechanical 2 "24" at 20.832,81.258 h0.8; Mechanical 2 "15" at 9.432,81.258 h0.8; Mechanical 2 "14" at 7.832,81.858 h0.8 r90; Mechanical 2 "1" at 7.832,98.758 h0.8 r90
U2: Mechanical 2 "A" at 12.748,21.309 h0.8; Mechanical 2 "K" at 12.748,19.515 h0.8; Mechanical 2 "C" at 18.148,22.109 h0.8; Mechanical 2 "E" at 18.148,19.509 h0.8
U3: Mechanical 2 "E" at 35.801,19.509 h0.8; Mechanical 2 "C" at 35.801,22.109 h0.8; Mechanical 2 "K" at 30.401,19.515 h0.8; Mechanical 2 "A" at 30.401,21.309 h0.8
U4: Mechanical 2 "E" at 53.962,19.382 h0.8; Mechanical 2 "C" at 53.962,21.982 h0.8; Mechanical 2 "K" at 48.562,19.388 h0.8; Mechanical 2 "A" at 48.562,21.182 h0.8
U5: Mechanical 2 "A" at 62.786,20.928 h0.8; Mechanical 2 "K" at 62.786,19.134 h0.8; Mechanical 2 "C" at 68.186,21.728 h0.8; Mechanical 2 "E" at 68.186,19.128 h0.8
U6: Mechanical 2 "E" at 66.089,31.864 h0.8 r90; Mechanical 2 "C" at 63.489,31.864 h0.8 r90; Mechanical 2 "K" at 66.083,26.464 h0.8 r90; Mechanical 2 "A" at 64.289,26.464 h0.8 r90
U7: Mechanical 2 "E" at 82.41,19.128 h0.8; Mechanical 2 "C" at 82.41,21.728 h0.8; Mechanical 2 "K" at 77.01,19.134 h0.8; Mechanical 2 "A" at 77.01,20.928 h0.8
U8: Mechanical 2 "A" at 78.767,26.464 h0.8 r90; Mechanical 2 "K" at 80.561,26.464 h0.8 r90; Mechanical 2 "C" at 77.967,31.864 h0.8 r90; Mechanical 2 "E" at 80.567,31.864 h0.8 r90
U9: Mechanical 2 "E" at 96.38,19.128 h0.8; Mechanical 2 "C" at 96.38,21.728 h0.8; Mechanical 2 "K" at 90.98,19.134 h0.8; Mechanical 2 "A" at 90.98,20.928 h0.8
U10: Mechanical 2 "1" at 36.14,38.043 h0.8 r90; Mechanical 2 "4" at 36.14,41.728 h0.8 r90; Mechanical 2 "5" at 33.822,41.728 h0.8 r90; Mechanical 2 "8" at 35.625,41.787 h0.8 r90
USB1: Mechanical 2 "5" at 9.066,37.497 h0.8 r270; Mechanical 2 "1" at 9.066,39.897 h0.8 r270
Y1: Mechanical 2 "VDD" at 21.13,63.73 h0.8; Mechanical 2 "OUT" at 25.13,63.73 h0.8; Mechanical 2 "GND" at 24.63,60.23 h0.8; Mechanical 2 "EN" at 21.738,60.23 h0.8